# KiCad board tinytapeout-demo.kicad_pcb (continued)
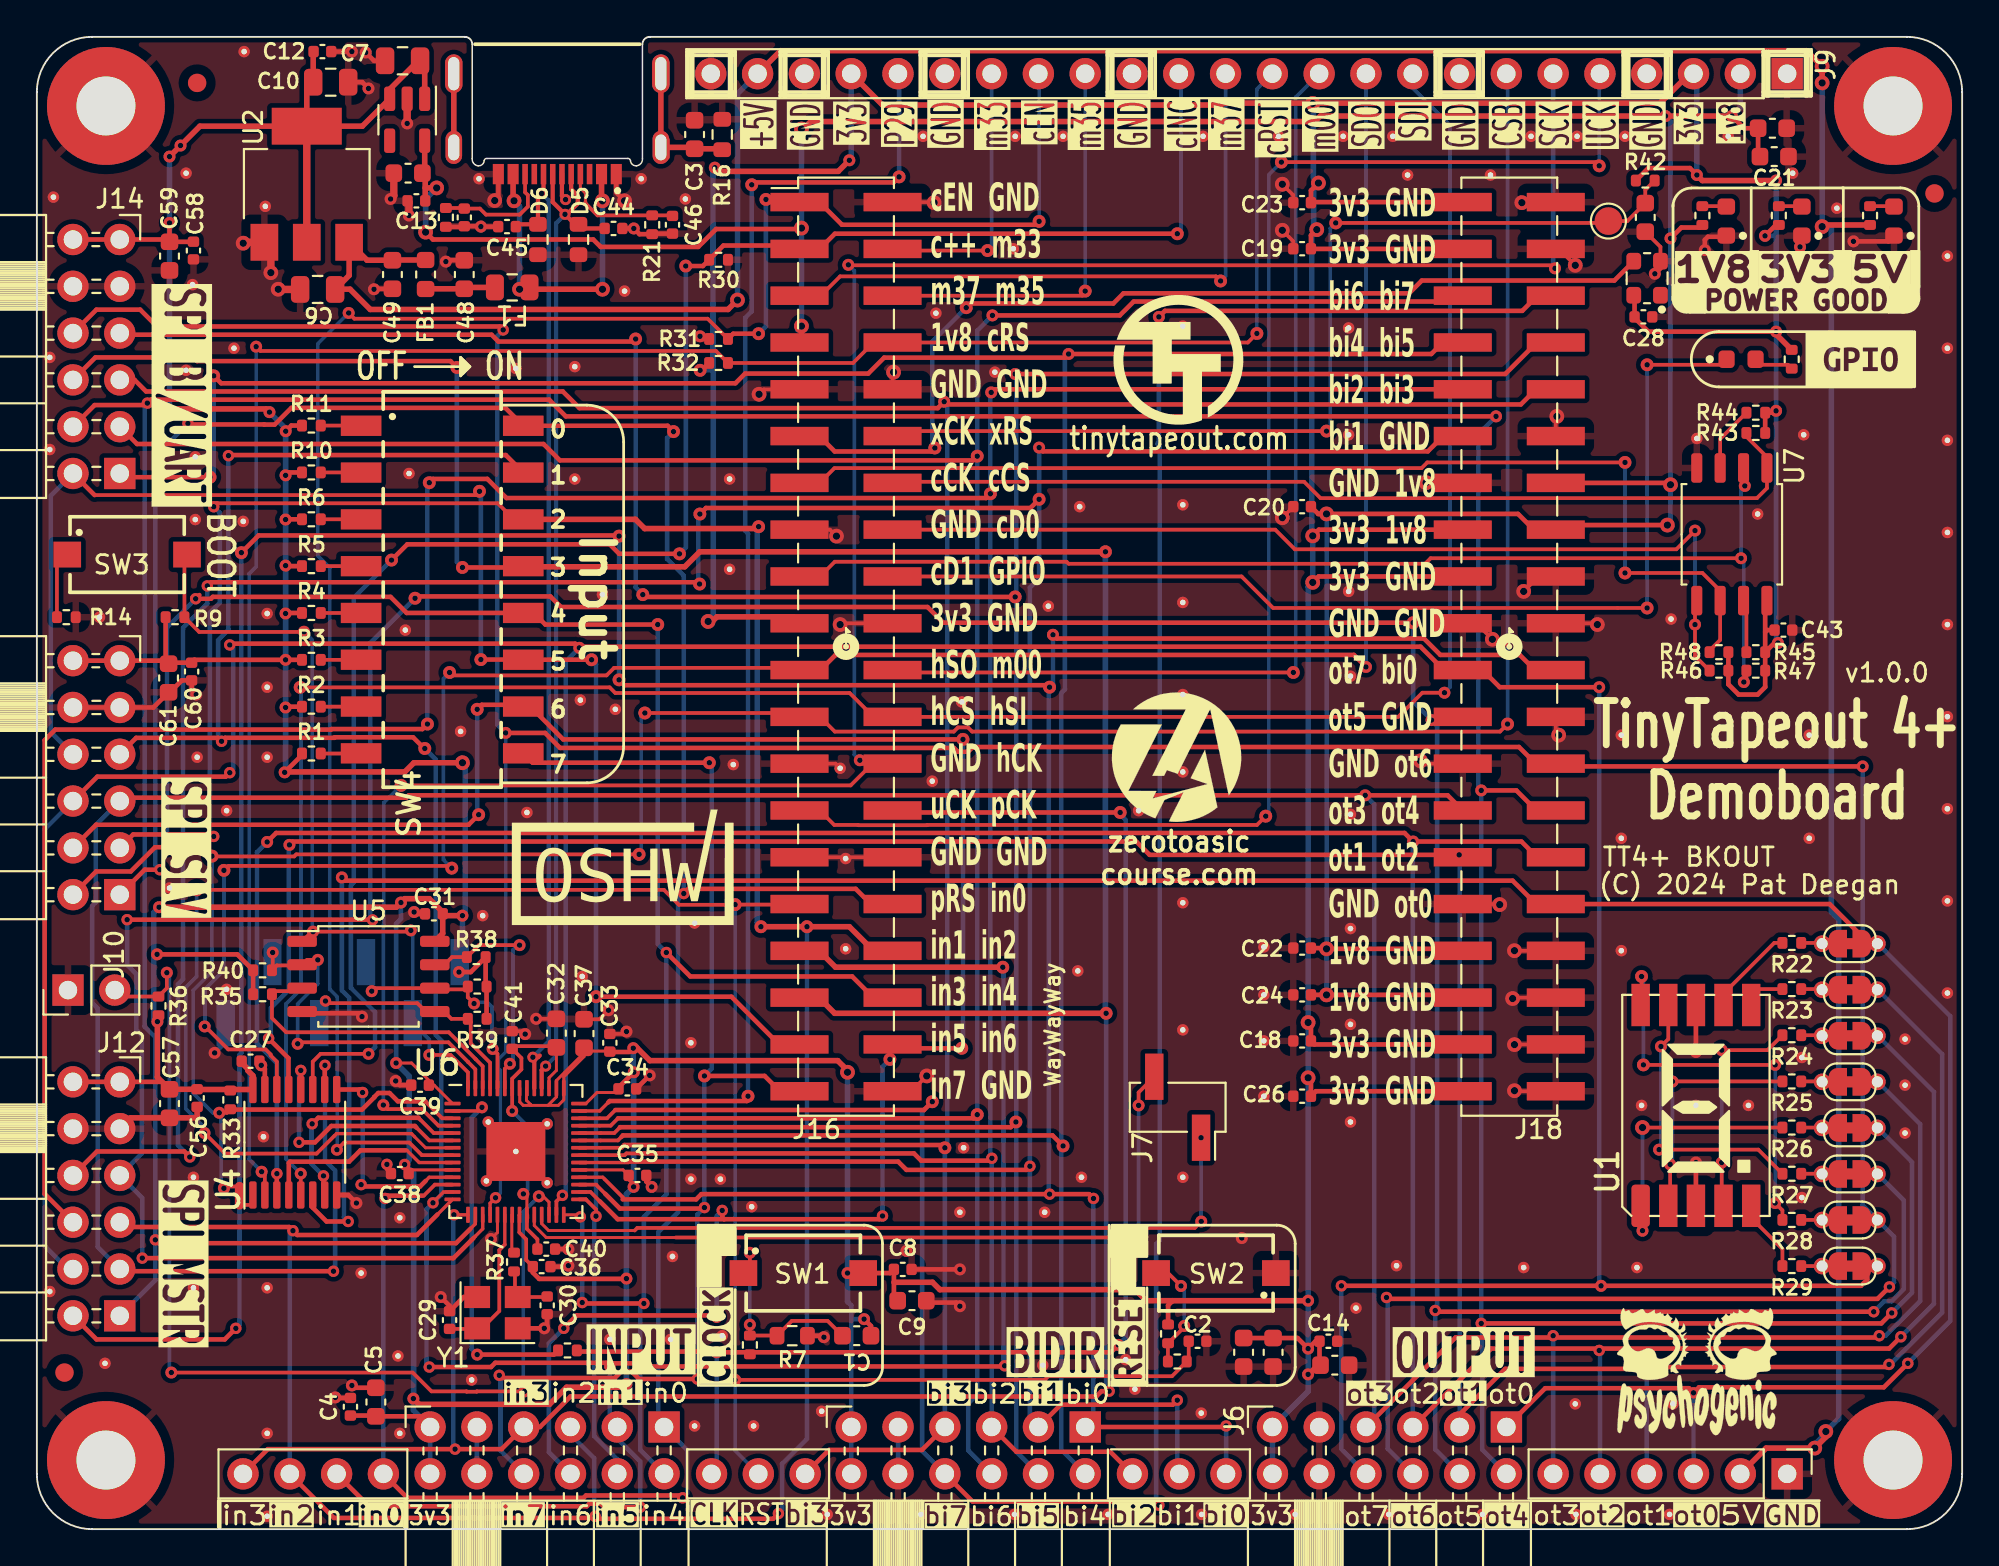
[diagram p0: board, top side]
## Routing (per net, layer and track width the routed paths; a pad name or vN(x,y) marks a point on that pad's centre or on a via; arc(x,y) is an arc through that point) (continued)
/RP2040/QSPI_SD3: length 13.2
  Top w0.2: U5.7 22.12,30.64 22.53,31.05 R38.2 23.99,31.7 v1(26.2,31.7) ; U6.51 25.4,24.99 v1(25.67,25.26)
  Bottom w0.2: v1(26.2,31.7) 26.1,31.7 25.84,31.44 25.84,25.43 v1(25.67,25.26)
/RP2040/RUN: length 57.8
  Top w0.16: v1(27.25,18.06) 27.49,18.06 27.8,17.75 U6.26
  Top w0.2: v1(26.47,7.48) 23.89,7.48 23.87,7.46 23.33,7.46 23.31,7.48 21.42,7.48 20.4,8.5 v1(7.3,8.5) ; J10.2 4.58,28.91 R36.2 7.05,29.36 v1(7.05,30.2)
  Bottom w0.2: v1(7.05,30.2) 7.2,30.06 7.2,8.6 v1(7.3,8.5) ; v1(27.25,18.06) 26.4,17.22 26.4,7.55 v1(26.47,7.48)
/RP2040/SWCLK: length 42.9
  Top w0.16: U6.24 27,16.48 27.65,15.83 34.68,15.83
  Top w0.2: J7.2 59.8,23.7 v1(59.8,23) ; v1(59.75,15.7) 59.62,15.83 34.68,15.83
  Bottom w0.2: v1(59.8,23) 59.8,15.75 v1(59.75,15.7)
/RP2040/SWDIO: length 41.4
  Top w0.16: U6.25 27.4,16.59 27.78,16.21 32.45,16.21
  Top w0.2: v1(63.2,16.7) 62.85,16.35 32.59,16.35 32.45,16.21
  Bottom w0.2: v1(63.19,21.25) 63.19,16.71 v1(63.2,16.7) 63.3,16.6 63.4,16.6
/vfused: length 3.8
  Top w0.3: F1.2 23.28,67.4 C48.1 21.11,67.33 FB1.1
/~{CRVRST}: length 53.9
  Top w0.2: v4(70.5,70.9) 85.2,70.9 TP1.1 86.32,71 C42.2 87.3,72.69 R42.2 ; v4(70,59.6) 46.72,59.6 46.44,59.33
  Bottom w0.2: v4(70.5,70.9) 70.2,70.6 70.2,59.8 v4(70,59.6)
boot_mode: length 43.4
  Top w0.2: SW3.2 8.01,52.76 R9.2 8.81,48.7 14.49,48.7 v1(14.5,48.71) ; U5.1 14.93,32.43 v1(14.99,32.43) 20.23,32.43 v1(20.3,32.5) ; U6.56 23.4,24.79 22.46,25.74 v1(21.3,25.74)
  Bottom w0.2: v1(21.3,25.74) 21.3,26.58 J11.2 20.41,32.39 v1(20.3,32.5) ; v1(14.99,32.43) 14.94,32.48 14.94,48.27 v1(14.5,48.71)
Caravel_CSB: length 51.5
  Top w0.2: 46.44,56.79 46.5,56.85 68.78,56.85 69.67,55.96 93.36,55.96 93.91,56.5 U7.1 93.91,58.19 92.79,59.31 R43.2
Caravel_D0: length 53.9
  Top w0.2: U7.5 90,50.31 v1(90,49.1) 90,47.39 R46.2 ; 46.44,54.25 67.22,54.25 68.28,53.19 88.99,53.19 v1(90,54.2) 89.85,54.35
  Bottom w0.2: v1(90,54.2) v1(90,49.1)
Caravel_D1: length 64.2
  Top w0.2: U7.2 92.7,57.53 v1(92.7,56.62) ; J4.A17 42.51,51.71 43.31,52.51 55.89,52.51 56,52.4 75.35,52.4 75.65,52.7 v1(92.5,52.7) 92.41,52.61 ; R47.2 92.79,46.12 v1(92.65,45.98)
  Bottom w0.2: v1(92.65,45.98) 92.65,52.55 v1(92.5,52.7) 92.5,56.42 v1(92.7,56.62)
Caravel_SCK: length 60.4
  Top w0.2: v4(86.2,51.9) 90.4,51.9 91.37,50.94 U7.6 91.37,48.27 90.79,47.69 R48.2 ; v4(86.2,57.9) 75.47,57.9 75.16,57.59 43.29,57.59 42.49,56.79 J4.A13
  Bottom w0.2: v4(86.2,57.9) v4(86.2,51.9)
cinc/out3: length 11.7
  Top w0.18: 21.1,18.9 21.3,19.1 U6.11
  Top w0.245: v3(17.68,23.7) 17.52,23.86 U4.9 ; v3(17.6,18.7) 17.7,18.6 20.8,18.6 21.1,18.9
  Bottom w0.245: v3(17.68,23.7) 17.68,18.78 v3(17.6,18.7)
ctrl_ena: length 107.2
  Top w0.2: R31.1 36.41,65.7 17.23,65.7 v1(16.92,66.01) ; v1(16.29,20.59) 16.68,20.98 20.22,20.98 20.9,20.3 U6.8
  Top w0.245: v4(39.17,64.89) 37.8,64.89 R31.1 ; v4(54.4,70.98) 54.22,70.8 43.7,70.8 42.47,72.03 J4.A1 39.72,72.03 v4(39.57,72.17)
  Bottom w0.2: v1(16.92,66.01) 15.25,64.34 15.25,52.83 15.9,52.18 15.9,29.3 16.3,28.9 16.3,20.61 v1(16.29,20.59) ; J9.17 54.4,78.96 v4(54.4,70.98)
  Bottom w0.245: v4(39.17,64.89) 39.57,65.29 v4(39.57,72.17)
ctrl_sel_inc: length 101.5
  Top w0.2: U4.11 14.97,25.38 15.4,25.8 v1(18,25.8)
  Top w0.245: v4(61.9,70.31) 43.31,70.31 42.49,69.49 J4.A3 41.21,69.67 37.26,69.67 R30.1 36.15,68.56 v4(35.22,68.56) ; v4(34.88,52.94) 31.61,52.94 31.09,53.45 20.1,53.45 v4(19.25,52.6)
  Bottom w0.2: v4(61.9,70.31) 62.1,70.51 62.1,78.88 J9.14
  Bottom w0.245: v1(18,25.8) 18.36,26.16 18.36,28.07 17.05,29.38 17.05,34.95 17.2,35.11 17.2,50.55 v4(19.25,52.6) ; v4(34.88,52.94) 35.23,53.29 35.23,68.55 v4(35.22,68.56)
gpio: length 59.3
  Top w0.2: 46.44,51.71 65.39,51.71 67.1,50 v4(87.4,50) ; v4(87.4,63.2) 91.41,63.2 D4.1
  Bottom w0.2: v4(87.4,50) v4(87.4,63.2)
HK_CSB: length 147.9
  Top w0.2: v1(10.15,18.5) 10.25,18.6 NT1.1 ; v4(32.69,36.63) 14.08,36.63 13.97,36.52 9.52,36.52 v4(9.51,36.53) ; 21.1,23.2 22,22.3 U6.3 ; v4(33,44.3) 41.19,44.3 J4.A23 42.51,44.09 43.31,43.29 49.77,43.29 50,43.52 50.54,43.52 50.76,43.29 79.41,43.29 v4(79.82,43.7) ; R33.2 10.31,22.6 v1(9.9,22.6)
  Top w0.245: 21.1,23.2 21.08,23.22 19.59,23.22 19.14,23.67 18.53,23.67 18.31,23.45 18.31,23.44 17.65,22.77 10.52,22.77 R33.2
  Bottom w0.2: J9.7 79.82,78.94 v4(79.82,43.7) ; v4(9.51,36.53) 9.5,36.53 9.5,30.26 8.48,29.24 8.48,23.67 9.55,22.6 v1(9.9,22.6) 10,22.5 10,18.65 v1(10.15,18.5) ; v4(33,44.3) 32.8,44.1 32.8,36.74 v4(32.69,36.63)
HK_SCK: length 127.2
  Top w0.2: v4(19.77,40.37) 19.77,40.37 44.17,40.37 45.35,41.55 46.44,41.55 44.85,41.55 v1(44.67,41.73) ; U6.4 21.8,21.9 20.9,22.8 19.03,22.8 v1(18.81,23.02) ; v1(44.05,68.62) 44.07,68.6 82.24,68.6 v1(82.4,68.44)
  Bottom w0.2: v1(44.67,41.73) 44.37,42.03 44.37,68.3 v1(44.05,68.62) ; v1(18.81,23.02) 18.81,32.79 18.83,32.82 18.83,39.43 v4(19.77,40.37) ; 82.3,68.54 v1(82.4,68.44)
  Bottom w0.245: J9.6 82.3,68.54
HK_SDI: length 126.1
  Top w0.2: v4(14.29,45.69) 31.09,45.69 31.4,45.39 44.11,45.39 45.41,44.09 73.89,44.09 75.2,45.4 v1(76.4,45.4) ; U4.5 14.33,19.3 v1(14.32,19.3)
  Bottom w0.2: v1(76.4,45.4) 76.7,45.7 76.7,76.2 74.68,78.22 J9.9 ; v1(14.32,19.3) 13.53,20.1 13.53,28.51 14.33,29.32 14.33,45.65 v4(14.29,45.69) 14.3,45.7
HK_SDO: length 121.5
  Top w0.2: v4(22.52,35.88) 22.4,36 10.4,36 v4(10.15,35.76) ; v1(9.11,27.29) 9.14,27.29 10.39,26.04 12.42,26.04 12.69,25.77 12.69,25.71 13.03,25.38 U4.14 ; v4(22.4,46.5) 22.56,46.34 30.92,46.34 31.33,46.75 41.28,46.75 J4.A21
  Top w0.245: v1(72.14,46.8) 71.49,47.45 43.35,47.45 42.53,46.63 J4.A21
  Bottom w0.2: v4(22.52,35.88) 22.07,36.33 22.07,46.17 v4(22.4,46.5) ; v4(10.15,35.76) 10.15,30.34 9.12,29.31 9.12,27.3 v1(9.11,27.29) ; J9.10 v1(72.14,46.8)
in0: length 162.4
  Top w0.2: U6.12 21.6,18.7 21,18.1 20.9,18.1
  Top w0.245: J13.1 5.85,35.79 v3(6.68,35.79) ; v3(18.9,17.95) 19.05,18.1 20.9,18.1 ; 46.44,33.93 46.08,34.3 44.9,34.3 44.45,34.75 35.37,34.75 v3(35.11,34.5) ; J2.1 20.11,1.7 29.68,1.7 29.8,1.83 34.92,1.83 v3(35.05,1.7) ; v3(8.2,60.02) 8.25,59.96 12.34,59.96 12.35,59.95 12.91,59.95 13.82,60.86 25.43,60.86 SW4.16 34.24,59.89 v4(34.56,59.57)
  Bottom w0.245: J2.1 18.81,17.86 v3(18.9,17.95) ; v3(35.05,1.7) 35.3,1.95 35.3,4.29 J3.1 33.74,5.85 33.74,16.14 34.8,17.2 34.8,34.19 v3(35.11,34.5) 35.11,51.75 34.21,52.66 34.21,59.22 v4(34.56,59.57) ; v3(6.68,35.79) 6.43,36.03 6.43,58.25 v3(8.2,60.02)
in1: length 175.6
  Top w0.18: U6.13 22.07,18.3 21.5,17.73 v3(21.5,17.71)
  Top w0.245: v4(21.06,42.37) 21.03,42.37 20.42,42.98 16.18,42.98 16.15,42.95 10.21,42.95 v3(10.03,42.77) 9.84,42.95 5.39,42.95 J13.4 ; 21.2,8.8 v3(21.3,8.8) 24.65,8.8 24.88,9.03 30.91,9.03 v3(31.1,8.84) 31.26,9 32.46,9 32.63,8.83 52.49,8.83 v3(52.53,8.87) ; J2.2 18.03,1.24 29.85,1.24 29.99,1.38 30.61,1.38 30.8,1.19 v3(32.75,1.19) ; v3(10.4,58.27) 10.43,58.3 25.45,58.3 SW4.15
  Top w0.3: v4(52.43,30.5) 43.35,30.5 42.46,31.39 J4.A33
  Bottom w0.18: v3(21.5,17.71) 21.51,17.71 21.6,17.8
  Bottom w0.245: v3(21.3,8.8) 21.15,8.95 21.15,17.36 v3(21.5,17.71) ; v3(31.1,8.84) 31.1,5.95 J3.2 31.5,4.92 32.75,3.67 v3(32.75,1.19) ; v4(21.06,42.37) 21.65,41.78 21.65,26.83 21.95,26.53 21.95,18.15 21.6,17.8 ; v3(10.03,42.77) 9.84,42.95 9.84,48.26 10.4,48.82 v3(10.4,58.27) ; v3(52.53,8.87) 52.47,8.93 52.47,30.46 v4(52.43,30.5)
in2: length 181.8
  Top w0.18: U6.14 21.74,17.08
  Top w0.2: SW4.14 25.89,54.81 25.02,55.68 9.79,55.68
  Top w0.245: 9.5,55.4 9.6,55.5 v3(9.6,55.5) 9.79,55.68 ; J13.2 5.23,37.71 9.49,37.71 v3(9.6,37.6) ; v3(40.25,0.85) 39.96,0.56 30.44,0.56 v3(30.3,0.7) 30.21,0.61 16.12,0.61 J2.3 ; J12.3 4.76,16.4 13.7,16.4 v3(13.9,16.2) 14.13,15.97 20.63,15.97 21.74,17.08
  Top w0.3: v4(39.3,32.7) v4(41.8,32.7) 44.1,32.7 45.41,31.39 46.44,31.39 ; SW4.14 32.49,54.81 32.99,54.31 39.07,54.31 v4(39.18,54.41)
  Bottom w0.245: v3(9.6,55.5) 9.93,55.16 9.93,50.29 9.39,49.75 9.39,37.76 9.63,37.52 ; v3(13.9,16.2) 13.73,16.03 J2.3 ; v3(40.25,0.85) 40.45,1.05 40.45,3.55 41.8,4.9 v4(41.8,32.7) ; J3.3 28.97,5.13 30.25,3.85 30.25,0.75 v3(30.3,0.7)
  Bottom w0.3: v4(39.18,54.41) 39.1,54.34 39.1,32.9 v4(39.3,32.7)
in3: length 192.9
  Top w0.18: U6.15 v3(22.64,17.06)
  Top w0.245: J14.9 3.18,63.6 8.5,63.6 8.7,63.4 22.45,63.4 v4(22.8,63.05) ; v4(23.1,52.2) 26.33,52.2 SW4.13 ; v3(58.2,7.49) 57.79,7.49 57.5,7.2 28.96,7.2 27.31,5.54 J3.4 25.22,4.34 v3(22.7,4.34) 12.53,4.34 J2.4
  Top w0.3: J4.A35 42.45,28.85 43.3,28 v4(58.04,28) ; SW4.13 26.43,52.24 35.17,52.24 35.98,53.05 v4(58,53.05)
  Bottom w0.18: v3(22.64,17.06) 22.6,17.03
  Bottom w0.245: v3(22.7,4.34) 22.6,4.44 22.6,17.03 ; v3(58.2,7.49) 58.04,7.65 v4(58.04,28) ; v4(22.8,63.05) 22.8,52.5 v4(23.1,52.2)
  Bottom w0.3: v4(58.04,28) 58,28.04 v4(58,53.05)
in4: length 116.2
  Top w0.16: U6.28 29.39,17.06 v3(29.5,16.95)
  Top w0.245: J13.7 3.22,35.7 5.1,35.7 6.41,37.01 v3(7.07,37.01) ; v3(32.95,12.25) 29.65,12.25 v3(29.6,12.3) ; 8.82,50.7 v3(8.62,50.5) 9.45,50.5 9.55,50.6 19.2,50.6 20.07,49.73 SW4.12 26.97,49.73 27.6,49.1 v4(33.7,49.1) ; 34.3,31.3 v3(34.17,31.3) 35.47,30 44.25,30 45.4,28.85 46.44,28.85
  Bottom w0.245: v3(29.6,12.3) 29.6,16.85 v3(29.5,16.95) ; v3(7.07,37.01) 7.07,48.95 v3(8.62,50.5) ; v4(33.7,49.1) 33.7,31.77 v3(34.17,31.3) 34.17,18.17 32.95,16.95 v3(32.95,12.25) 32.75,12.05 32.75,4.3 J3.7
in5: length 112.7
  Top w0.2: U6.29 29.8,17.9 30.35,17.35 v3(30.35,16.99) 30.35,16.8 ; 3.13,56.13 23.82,56.13 v4(24.03,56.33)
  Top w0.245: J14.7 3.13,56.13 ; J4.A37 40.29,26.31 37.7,28.9 v4(30.35,28.9) ; v4(30.11,47.19) SW4.11 26.39,47.2 v4(24.1,47.2)
  Bottom w0.245: J13.10 0.76,43.26 0.76,56.1 J14.7 ; v4(24.1,47.2) 24.1,56.26 v4(24.03,56.33) ; v4(30.11,47.19) 30.35,46.95 v4(30.35,28.9) v3(30.35,16.99) 30.25,16.89 30.25,5.05 31.5,3.79 J3.8
in6: length 126.9
  Top w0.2: 30.55,17.8 30.05,18.3 U6.30
  Top w0.245: v3(28.6,10.9) 29.3,11.6 36.8,11.6 v3(36.9,11.5) ; v4(50.27,42.87) 28.57,42.87 26.78,44.65 SW4.10 26.31,44.75 24.14,44.75 v4(23.9,44.5) ; v4(46.3,25.5) 46.3,26.16 46.44,26.31 46.66,26.1 v4(50.2,26.1) ; v3(37.2,17.3) 37.2,16.92 37.3,16.82 ; 30.55,17.8 31.53,16.82 37.3,16.82 ; v4(23.98,38.78) 23.43,38.23 3.21,38.23 J13.8 ; 37.3,16.82 45.72,16.82 v3(45.9,17)
  Bottom w0.245: v3(28.6,10.9) 27.79,10.09 27.79,4.18 J3.9 ; v3(37.2,17.3) 36.9,17 v3(36.9,11.5) ; v4(50.2,26.1) 50.27,26.17 v4(50.27,42.87) ; v4(23.9,44.5) 23.9,38.86 v4(23.98,38.78) ; v4(46.3,25.5) 45.9,25.1 v3(45.9,17)
in7: length 74
  Top w0.2: 30.83,18.22 30.35,18.7 U6.31
  Top w0.245: v3(36.23,17.46) 36.18,17.4 31.65,17.4 30.85,18.2 ; J4.A39 40.33,23.77 39.5,24.6 v4(36.23,24.6) ; v4(36.5,41.6) 26.91,41.6 SW4.9 ; v3(25.1,8.35) 25.24,8.2 31.37,8.2 31.72,8.56 32.28,8.56 32.69,8.15 v3(35.85,8.15)
  Bottom w0.245: v4(36.5,41.6) 36.63,41.47 36.63,25 v4(36.23,24.6) v3(36.23,17.46) 35.85,17.07 v3(35.85,8.15) ; v3(25.1,8.35) 25.17,8.28 25.17,4.26 J3.10
mio33: length 15
  Top w0.2: 46.44,69.49 46.53,69.4 v4(51.6,69.4)
  Bottom w0.2: v4(51.6,69.4) 51.82,69.62 J9.18 51.9,78.92
mio35: length 22.4
  Top w0.2: v4(56.9,67.2) 56.75,67.05 56.75,66.95 46.44,66.95
  Bottom w0.2: v4(56.9,67.2) J9.16
mio37: length 34.8
  Top w0.2: v4(64.25,67.75) 64,68 43.6,68 42.55,66.95 J4.A5
  Bottom w0.2: v4(64.25,67.75) 64.52,68.02 J9.13
mprj_io0: length 54.9
  Top w0.2: 46.44,46.63 46.58,46.5 v4(68.2,46.5)
  Bottom w0.2: v4(68.2,46.5) 68.33,46.63 68.33,77.73 J9.11
MUX_SEL: length 1.2
  Top w0.2: NT1.2 11.67,17.6 11.72,17.65 U4.1
out0: length 159.9
  Top w0.245: v3(16.9,16.7) 15.72,16.7 14.97,17.45 U4.6 ; J6.1 81.87,7.65 89.67,7.65 v3(89.92,7.4) 90.22,7.7 100.25,7.7 v3(101.55,9) ; JP1.1 99.05,32.19 97.31,33.93 J4.B32 81.37,33.93 80.1,35.2 16.73,35.2 v1(16.56,35.38)
  Bottom w0.245: J6.1 79.4,5.91 ; v3(101.55,9) 103.86,11.31 103.86,27.84 99.92,31.78 JP1.1 ; J1.3 v3(89.92,7.4) ; v3(16.9,16.7) 16.67,16.93 16.67,19.95 16.95,20.24 16.95,28.84 16.56,29.24 v1(16.56,35.38)
out1: length 163.5
  Top w0.245: v1(13.71,37.14) 13.89,37.32 59.68,37.32 60.4,36.6 v1(77.2,36.6) ; U4.13 13.66,23.88 13.66,25.56 v3(12.58,26.64) ; J6.2 77.22,6.22 79.7,8.7 87.2,8.7 v3(87.45,8.95) 87.6,8.8 100.39,8.8 v3(100.53,8.94)
  Bottom w0.245: J6.2 77.22,36.58 v1(77.2,36.6) ; J1.4 87.38,8.88 v3(87.45,8.95) ; JP2.1 99.92,29.28 103.41,25.79 103.41,11.76 100.6,8.94 v3(100.53,8.94) ; 13.61,37.1 13.65,37.14 v1(13.71,37.14) 13.67,37.11 13.67,29.26 12.7,28.28 12.7,26.76 v3(12.58,26.64)
out2: length 175.9
  Top w0.245: J6.3 78.94,9.8 100.53,9.8 v3(101.17,10.44) ; v1(12.5,37.3) 12.99,37.79 74.24,37.79 v1(74.7,37.32) 80.58,37.32 81.43,36.47 J4.B30 ; v3(13.03,19.3) 13.03,19.29 U4.3
  Bottom w0.245: v3(84.8,9.7) 84.84,9.66 J1.5 ; v1(74.7,37.32) 74.69,37.31 J6.3 ; JP3.1 99.92,26.78 102.97,23.73 102.97,12.23 v3(101.17,10.44) ; v1(12.5,37.3) 11.95,36.75 11.95,26.37 13.03,25.29 v3(13.03,19.3)
out3: length 212.4
  Top w0.245: J13.3 4.68,39.7 20.05,39.7 20.18,39.83 v1(72.1,39.83) 76.57,39.83 J4.B27 ; U4.10 15.62,25.16 v3(15.64,25.18) ; v3(100,10.5) 99.9,10.4 77,10.4 J6.4 ; J12.2 4.62,14 v3(16.1,14)
  Bottom w0.245: J13.3 3.2,38.22 3.2,34.02 3,33.82 3,28.57 3.3,28.27 3.3,15.32 J12.2 ; JP4.1 99.92,24.28 102.22,21.98 102.22,12.38 100.34,10.5 v3(100,10.5) ; v1(72.1,39.83) 72.59,39.34 72.59,5.99 J6.4 ; J1.6 v3(82.3,10.5) ; v3(15.64,25.18) 15.64,20.02 16.19,19.46 16.19,14.09 v3(16.1,14)
out4: length 244
  Top w0.18: 23.53,16.3 23.8,16.57 U6.16
  Top w0.245: J4.B28 81.39,39.01 80.3,40.1 v1(78.4,40.1) ; v1(79.2,60.4) 28.71,60.4 27.8,61.31 6.19,61.31 v3(6,61.12) 5.89,61.01 3.13,61.01 J14.8 ; 23.53,16.3 22.75,15.52 6.61,15.52 v3(6.43,15.7) ; v3(100.68,11.74) 100.11,11.17 v3(78.4,11.17)
  Bottom w0.245: v3(6,61.12) 5.85,60.97 5.85,27.28 6.43,26.7 v3(6.43,15.7) 6.43,13.51 J12.1 ; J6.7 78.45,4.32 78.45,11.11 v3(78.4,11.17) v1(78.4,40.1) 78.25,40.25 78.25,59.45 v1(79.2,60.4) ; v3(100.68,11.74) 101.78,12.83 101.78,19.92 99.92,21.78 JP5.1
out5: length 208.2
  Top w0.18: 23.7,15.8 24.2,16.3 U6.17
  Top w0.245: v4(20.53,50.53) 20.63,50.63 27.87,50.63 28.45,50.05 48.34,50.05 49.19,49.2 v4(74.7,49.2) ; v3(18.22,33.07) 18.21,33.08 v3(4.9,33.08) ; v1(75.7,43.92) 75.88,44.09 J4.B23 ; v3(5.72,14.71) 22.61,14.71 23.7,15.8 ; v3(99.7,11.8) 75.97,11.8 v3(75.9,11.87)
  Bottom w0.245: v3(5.72,14.71) 5.72,17.98 J12.4 5.7,20.4 5.7,26.8 5.4,27.1 5.4,30.12 4.9,30.62 v3(4.9,33.08) ; JP6.1 101.33,17.85 101.33,13.03 100.67,12.37 100.27,12.37 v3(99.7,11.8) ; v4(20.53,50.53) 18.1,48.1 18.1,33.19 v3(18.22,33.07) ; v4(74.7,49.2) 74.7,44.92 v1(75.7,43.92) 76,43.61 76,11.97 v3(75.9,11.87) 75.9,4.33 J6.8
out6: length 214.6
  Top w0.18: v3(24.9,17.99) 24.6,17.69 U6.18
  Top w0.245: v1(25.44,43.22) 27.59,43.22 28.4,42.4 49.78,42.4 49.99,42.19 50.55,42.19 50.81,42.45 80.44,42.45 81.35,41.55 J4.B26 82.59,41.4 v1(99.1,41.4) ; v3(100.55,13.15) 99.91,12.5 73.33,12.5 v3(73.26,12.58) ; v3(25.31,65.09) 25.12,65.28 6.52,65.28 5.61,66.19 3.23,66.19 J14.10
  Bottom w0.18: v3(24.9,17.99) 25.16,18.25 25.16,24.91 25.06,25.01 25.06,25.52 25.45,25.91 25.45,43.21 v1(25.44,43.22)
  Bottom w0.245: J6.9 73.32,4.37 73.32,12.51 v3(73.26,12.58) ; v3(25.31,65.09) 25,64.78 25,43.66 v1(25.44,43.22) ; v3(100.55,13.15) 100.8,13.39 100.8,15.88 JP7.1 99.1,17.58 v1(99.1,41.4)
out7: length 222.3
  Top w0.2: 44.42,47.9 44.42,47.9 ; v3(28.53,18.12) 28.2,17.79 U6.27 ; 43.58,47.9 43.57,47.9
  Top w0.245: v1(84.8,45.7) 79.4,45.7 78.47,46.63 J4.B21 76.37,46.63 75.1,47.9 44.42,47.9 ; 43.57,47.9 29.5,47.9 v1(29.44,47.84) 29.22,48.06 10.54,48.06 v3(10.47,47.99) ; v3(70.81,13.21) v1(84.9,13.21) 99.01,13.21 99.35,13.55 99.35,14.28 ; v3(10.47,41.06) 10.25,40.84 3.28,40.84 J13.9 ; 44.42,47.9 J16.1 43.58,47.9
  Bottom w0.245: J13.9 0.42,37.98 0.42,15.38 1.68,14.12 J12.8 ; v3(10.47,41.06) 10.66,41.25 10.66,47.81 v3(10.47,47.99) ; v1(84.9,13.21) 84.8,13.31 v1(84.8,45.7) ; J6.10 70.9,4.25 ; v3(28.53,18.12) 28.7,18.29 28.7,47.09 v1(29.44,47.84) ; v3(70.81,13.21) 70.81,4.34
project_clk: length 78.4
  Top w0.2: 46.56,38.9 46.44,39.01
  Top w0.245: v4(58.8,38.9) 46.56,38.9 ; R41.2 29.37,9.64 36.86,9.64 v1(36.9,9.6) 38.59,9.6 R12.1 38.81,9.6 58.3,9.6 v1(58.7,10)
  Bottom w0.2: 58.7,38.8 v4(58.8,38.9)
  Bottom w0.245: 36.8,9.8 36.9,9.7 v1(36.9,9.6) 36.9,3.28 J17.3 ; v1(58.7,10) 59.1,10.4 59.1,38.5 58.8,38.8 58.7,38.8
RP_proj_clk: length 19.9
  Top w0.18: v1(24.16,22.89) 23.96,22.7 U6.2
  Top w0.245: R41.1 28.06,9.47 v1(23.9,9.47)
  Bottom w0.245: v1(23.9,9.47) 23.6,9.77 23.6,22.34 v1(24.16,22.89)
RPIO29: length 73.1
  Top w0.18: 31.01,23.16 30.55,22.7 U6.41
  Top w0.245: v4(38.6,23.5) 38.6,23.3 38.54,23.24 31.09,23.24 31.01,23.16 ; v4(38.8,72.97) 38.93,73.1 46.5,73.1 v4(46.8,73.4)
  Bottom w0.245: v4(38.6,23.5) 38.6,54.04 38.45,54.19 38.45,65.75 38.8,66.1 v4(38.8,72.97) ; J9.20 46.8,78.94 v4(46.8,73.4)
SDI/out0: length 12.2
  Top w0.2: 20.82,22.22 20.82,22.22 21.54,21.5 U6.5
  Top w0.245: v3(14.94,22) 15.27,22.33 20.71,22.33 20.73,22.3 ; v3(15.56,19.17) 15.56,18.2 U4.7
  Bottom w0.245: v3(15.56,19.17) 14.91,19.82 14.91,21.97 v3(14.94,22)
SDO/out1: length 14
  Top w0.2: 20.6,21.8 21.3,21.1 U6.6
  Top w0.245: U4.12 v3(14.33,24.9) ; 20.6,21.8 20.52,21.88 15.98,21.88 15.09,20.99 v3(14.23,20.99)
  Bottom w0.245: v3(14.23,20.99) 14.23,24.81 v3(14.33,24.9)
uio0: length 214.3
  Top w0.18: U6.32 30.72,19.1 30.82,19
  Top w0.2: 31.8,17.9 31.8,18.02 30.82,19
  Top w0.245: v3(57.35,17.95) 57.12,18.18 v3(54.97,18.18) 36.07,18.18 35.78,17.9 31.8,17.9 ; v1(55.15,48.55) 55.35,48.34 75.29,48.34 76.18,47.45 79.7,47.45 79.7,47.45 80.49,47.45 81.31,46.63 J4.B22 ; v4(31.6,53.9) 31.56,53.94 12.04,53.94 v4(11.1,53) ; J12.7 3.24,10.3 10.2,10.3 v3(10.8,10.9) ; v4(31.6,46.1) 31.89,45.81 54.89,45.81 54.89,45.78 v4(54.97,45.7) ; v3(64.55,5.6) 64.5,5.54 J5.1
  Bottom w0.245: J8.1 64.55,3 v3(64.55,5.6) ; 11.2,53.1 v4(11.1,53) 11.1,25.86 11,25.75 11,11.1 v3(10.8,10.9) ; v4(31.6,53.9) v4(31.6,46.1) ; J5.1 57.35,5.99 v3(57.35,17.95) ; v3(54.97,18.18) 54.93,18.22 54.93,45.66 v4(54.97,45.7) 55.15,45.88 v1(55.15,48.55)
uio1: length 202.3
  Top w0.18: U6.34 32.1,19.9 32.15,19.95
  Top w0.245: v4(54.4,55.9) 53.93,55.43 36.32,55.43 v4(35.99,55.1) ; v3(61.9,7) 61.66,6.75 55.58,6.75 J5.2 ; v1(54.4,58.7) 54.61,58.5 75.5,58.5 76.33,59.33 J4.B11 ; 32.15,19.95 46.75,19.95 47.2,19.5 53.7,19.5 v3(53.9,19.7) ; v4(35.97,51.3) 35.87,51.4 9.45,51.4 v3(9.25,51.2) ; v3(8.3,20.2) 8,20.5 3.26,20.5 J12.10
  Bottom w0.245: v4(35.97,51.3) 35.9,51.37 35.9,55.01 v4(35.99,55.1) ; J5.2 53.9,6.01 v3(53.9,19.7) 53.9,51.11 54.4,51.61 v1(54.4,58.7) ; J8.2 61.9,3.1 v3(61.9,7) ; v3(9.25,51.2) 9.25,50.24 7.94,48.92 7.94,29.85 7.66,29.58 7.66,20.84 v3(8.3,20.2)
uio2: length 205.4
  Top w0.2: 32.75,20.39 32,20.39 31.9,20.3 U6.35
  Top w0.245: v4(21.2,43.7) 20.93,43.43 15.99,43.43 15.96,43.4 1,43.4 0.42,42.82 0.42,18.2 J12.9 ; J4.B9 51.97,61.87 v1(51.8,61.7) ; v4(21.3,56.8) 21.5,57 24.45,57 25.49,55.97 51.52,55.97 v4(51.75,56.2) ; J5.3 53.17,4.2 58.27,4.2 J8.3 ; 32.75,20.39 47.61,20.39 48,20 51.7,20 v3(51.84,20.13)
  Bottom w0.245: J5.3 51.83,20.12 v3(51.84,20.13) 51.75,20.21 v4(51.75,56.2) 51.75,61.66 v1(51.8,61.7) ; v4(21.2,43.7) 21.2,56.7 v4(21.3,56.8)
uio3: length 163.7
  Top w0.2: 31.84,20.8 31.74,20.7 U6.36
  Top w0.245: J5.4 48.04,4.3 43,4.3 J17.1 ; J4.B10 81.37,61.87 80.55,61.05 49.4,61.05 v1(49.25,61.2) 48.9,60.85 29.45,60.85 28.55,61.75 5.93,61.75 5.3,62.38 J14.3 4.67,62.21 ; v4(49.28,20.7) 49.13,20.85 31.89,20.85 31.84,20.8
  Bottom w0.245: J5.4 v4(49.28,20.7) 49.41,20.83 49.41,61.03 v1(49.25,61.2)
uio4: length 167.5
  Top w0.2: U6.37 31.54,21.1 31.74,21.3
  Top w0.245: J4.B7 76.31,64.41 75.69,63.78 v1(56,63.78) 55.8,63.59 45.99,63.59 45.12,62.72 38.44,62.72 37.92,62.2 10,62.2 v4(9.6,62.6) ; 31.74,21.3 31.81,21.37 55.13,21.37 v4(55.7,20.8) ; v4(9.4,57.1) 4.7,57.1 J14.1
  Bottom w0.245: v1(56,63.78) 55.8,63.59 55.8,45.58 55.6,45.38 55.6,20.9 v4(55.7,20.8) ; v4(9.6,62.6) 9.6,57.3 v4(9.4,57.1) ; J5.7 55.6,4.31 55.6,20.7
uio5: length 176.8
  Top w0.2: U6.38 31.34,21.5 31.64,21.8
  Top w0.245: v1(53.1,62.7) 79.7,62.7 81.41,64.41 J4.B8 ; v4(53.14,22.1) 52.86,21.82 31.66,21.82 31.64,21.8 ; v4(32.5,64.6) 32.36,64.46 25.05,64.46 24.68,64.83 4.59,64.83 J14.4 ; v4(32.89,50.72) 33.01,50.6 v4(53.1,50.6)
  Bottom w0.245: v4(32.5,64.6) 32.5,51.11 v4(32.89,50.72) ; v1(53.1,62.7) 53.16,62.64 53.16,4.21 J5.8
uio6: length 159.2
  Top w0.2: 31.54,22.3 31.14,21.9 U6.39
  Top w0.245: J4.B5 77.08,66.63 59.53,66.63 58.78,65.88 v1(51.87,65.88) ; J14.2 5.44,58.9 27.5,58.9 28.39,58.01 50.81,58.01 v4(51.04,58.24) ; 31.54,22.3 50.84,22.3 v4(51.04,22.5)
  Bottom w0.245: v1(51.87,65.88) 51.04,65.05 v4(51.04,22.5) 51.04,7.29 50.55,6.8 50.55,4.28 J5.9
uio7: length 139.6
  Top w0.2: U6.40 30.95,22.3 31.4,22.75
  Top w0.245: v1(60.9,65.8) 61.23,66.13 80.62,66.13 81.45,66.95 J4.B6 ; v3(60.9,1.3) 60.7,1.5 50.79,1.5 J5.10 ; 31.4,22.75 48.15,22.75 v4(48.6,23.2)
  Bottom w0.245: J5.10 48.05,4.24 48.05,22.65 v4(48.6,23.2) ; v3(60.9,1.3) 60.75,1.45 60.75,15.49 60.95,15.68 60.95,58.78 60.83,58.9 ; 60.83,58.9 60.9,58.97 v1(60.9,65.8) ; 60.83,58.9 60.83,58.97
usb_d+: length 56.7
  Top w0.23: 27.5,73.65 27.5,72.6 v5(27.4,72.5) 27.2,72.3 D6.2 26.12,70.83 C45.1 ; 27.29,25.71 27.21,25.62 v5(26.92,25.62) 27,25.54 U6.47 ; v5(28.7,72.17) 28.5,72.36 28.5,73.65
  In2.Cu w0.23: v5(28.7,72.17) 27.73,72.17 v5(27.4,72.5)
  Bottom w0.23: v5(26.92,25.62) 27.79,26.48 27.79,72.11 v5(27.4,72.5)
usb_d-: length 55.8
  Top w0.23: v5(28.67,71.37) 28.77,71.37 29.36,71.96 29.36,72.37 29,72.73 29,73.65 ; v5(28.67,71.37) 28,72.03 28,73.65 ; v5(28.67,71.37) 29.21,70.83 D5.2 29.62,70.6 C44.1 ; 27.57,25.13 v5(27.61,25.13) 27.4,24.92 U6.46
  Bottom w0.23: v5(28.67,71.37) 28.18,70.88 28.18,25.7 v5(27.61,25.13)
usrclk2: length 84.1
  Top w0.2: v4(66.7,38.7) 66.22,38.22 48.32,38.22 48.32,38.21 44.57,38.21 44.57,38.22 43.28,38.22 42.49,39.01 J4.A27 ; v4(67.55,74.2) 84.6,74.2 v4(84.8,74)
  Bottom w0.2: v4(67.55,74.2) 66.87,73.52 66.87,38.87 v4(66.7,38.7) ; v4(84.8,74) 84.8,78.96 J9.5
xclk: length 53.5
  Top w0.245: J4.A11 42.47,59.33 43.31,58.5 48.55,58.5 v4(48.74,58.69) ; v4(50.44,66.3) 50.67,66.53 58.43,66.53 58.98,67.08 74.48,67.08 75.17,67.77 85.62,67.77 X1.3
  Bottom w0.245: v4(50.44,66.3) 48.6,64.46 48.6,58.83 v4(48.74,58.69)
~{crst}/out2: length 11.2
  Top w0.18: U6.9 20.75,19.9 20.09,20.56 20,20.56
  Top w0.245: U4.4 13.67,19.88 13.75,19.95 16.02,19.95 16.02,19.95 16.95,19.95 17.56,20.56 20,20.56
~{ctrl_sel_rst}: length 116.3
  Top w0.2: U4.2 12.38,19.22 v1(12.2,19.4) ; v4(66.22,64.9) 65.73,64.41 45.41,64.41 44.3,63.3 R32.2 36.86,63.95 12.14,63.95 v1(11.9,64.18)
  Bottom w0.2: v4(66.22,64.9) 66.22,78.16 J9.12 ; v1(12.2,19.4) 11.53,20.08 11.53,51.86 11.9,52.24 v1(11.9,64.18)
~{project_rst}: length 119.1
  Top w0.16: 20.5,21.3 21.1,20.7 U6.7
  Top w0.18: 20.5,21.3 20.33,21.47 16.27,21.47 16.15,21.35
  Top w0.2: 16.15,21.35 15.18,20.38 10.22,20.38 v1(9.1,21.5) ; v1(37.9,8.1) 54.7,8.1 54.9,8.3 61.61,8.3 R13.2 62.52,9.21 C2.1 ; v4(8.67,34.7) 34.04,34.7 34.85,33.89 37.89,33.89 v4(37.9,33.9) 41.36,33.9 J4.A31
  Bottom w0.2: v4(8.67,34.7) 8.67,30 8.08,29.4 8.08,22.82 9.1,21.8 v1(9.1,21.5) ; J17.2 37.9,4.26 v4(37.9,33.9)
Net-(C1-Pad2): length 11.4
  Top w0.2: C1.2 42.92,11.31 40.98,11.31 R7.1 40.17,10.51 R12.2 v1(38.7,11.1) ; v1(38.7,15) 38.7,14.25 SW1.1
  Bottom w0.2: v1(38.7,11.1) v1(38.7,15)
Net-(C3-Pad1): length 12.3
  Top w0.3: R16.1 37.15,74.92 35.7,74.92 35.62,75 J15.S3 J15.S1 ; 34.2,74.47 34.2,75.4 ; J15.S4 J15.S2
Net-(C30-Pad1): length 3.1
  Top w0.2: R37.1 25.95,13.94 25.95,12.75 Y1.3 27.67,12.6 C30.1
Net-(D1-A): length 1.3
  Top w0.2: R15.2 100.78,71.81 D1.2
Net-(D2-A): length 1.3
  Top w0.2: D2.2 95.78,71.81 R17.2
Net-(D3-A): length 1.3
  Top w0.2: 90.31,71.81 91.59,71.81
Net-(D4-A): length 2.2
  Top w0.2: R19.2 95.04,63.2 93.59,63.2 D4.2
Net-(JP1-B): length 1.2
  Top w0.2: JP1.2 96.86,31.82 R22.1
Net-(JP2-B): length 1.1
  Top w0.2: JP2.2 96.87,29.31 R23.1
Net-(JP3-B): length 1.1
  Top w0.2: JP3.2 96.87,26.81 R24.1
Net-(JP4-B): length 1.1
  Top w0.2: R25.1 96.88,24.3 JP4.2
Net-(JP5-B): length 1.1
  Top w0.2: R26.1 96.88,21.8 JP5.2
Net-(JP6-B): length 1.1
  Top w0.2: JP6.2 96.89,19.29 R27.1
Net-(JP7-B): length 1.1
  Top w0.2: JP7.2 96.89,16.79 R28.1
Net-(JP8-B): length 1.1
  Top w0.2: R29.1 JP8.2
Net-(R1-Pad2): length 2.2
  Top w0.2: R1.2 17.59,42.1
Net-(R2-Pad2): length 2.2
  Top w0.2: R2.2 17.59,44.64
Net-(R3-Pad2): length 2.2
  Top w0.2: R3.2 17.6,47.19 SW4.6
Net-(R4-Pad2): length 2.2
  Top w0.2: R4.2 17.6,49.73 SW4.5
Net-(R5-Pad2): length 2.2
  Top w0.2: SW4.4 17.6,52.27 R5.2
Net-(R6-Pad2): length 2.2
  Top w0.2: SW4.3 17.6,54.81 R6.2
Net-(R10-Pad2): length 2.2
  Top w0.2: SW4.2 17.59,57.36 R10.2
Net-(R11-Pad2): length 2.2
  Top w0.2: SW4.1 17.59,59.9 R11.2
Net-(R13-Pad1): length 6.2
  Top w0.2: v1(62.28,11.03) 62.28,10.97 R8.2 61.39,10.08 R13.1 ; v1(62.1,13.2) 61.4,13.9 SW2.2
  Bottom w0.2: v1(62.1,13.2) 62.28,13.03 v1(62.28,11.03)
Net-(R14-Pad1): length 3.6
  Top w0.2: SW3.1 1.09,52.34 R14.1
Net-(U1-A): length 5.4
  Top w0.2: 91.49,28 91.49,29.01 94.3,31.82 R22.2
Net-(U1-B): length 2.8
  Top w0.2: R23.2 93.46,29.31 92.93,28.78 92.93,28
Net-(U1-C): length 11.6
  Top w0.2: v1(91.45,26) 93.94,26 R24.2 ; 91.49,18 91.45,18.04 v1(91.45,19.9)
  Bottom w0.2: v1(91.45,26) v1(91.45,19.9)
Net-(U1-D): length 12.3
  Top w0.2: 88.61,18 88.65,18.04 v1(88.65,19.8) ; R25.2 88.78,24.3 v1(88.78,24.3)
  Bottom w0.2: v1(88.78,24.3) 88.78,19.92 v1(88.65,19.8)
Net-(U1-DP): length 4.5
  Top w0.2: R29.2 94.75,15.2 92.93,17.02 92.93,18
Net-(U1-E): length 15.1
  Top w0.2: R26.2 87.15,21.8 v2(87.15,21.8) ; v1(87.15,16.2) 87.15,17.98 87.17,18
  Bottom w0.2: 87.15,21.9 v2(87.15,21.8) v1(87.15,16.2)
Net-(U1-F): length 15.9
  Top w0.2: v1(88.05,20.6) 93.44,20.6 R27.2 ; 88.15,27.54 88.61,28 ; v1(88.15,26.2) 88.55,26.6 U1.9
  Bottom w0.2: v1(88.15,26.2) 88.15,20.7 v1(88.05,20.6)
Net-(U1-G): length 22.1
  Top w0.2: v4(87.2,25.2) v1(94.35,25.2) ; v1(94.35,17.7) 94.75,17.31 R28.2 ; U1.10 87.1,28.5 v4(87.1,30)
  Bottom w0.2: v4(87.1,30) 87.2,29.9 v4(87.2,25.2) ; v1(94.35,17.7) v1(94.35,25.2)
Net-(U6-XIN): length 8.4
  Top w0.18: 25.4,15.45 U6.20
  Top w0.2: 25.4,15.45 25.1,15.15 25.1,11.84 24.16,10.9 Y1.1 23.87,10.87 C29.1
Net-(U6-XOUT): length 2.1
  Top w0.16: 25.78,17.06 25.78,15.13 R37.2
Net-(U7-IO2): length 3.6
  Top w0.2: R44.2 91.37,59.17 U7.3
Net-(U7-IO3): length 2.9
  Top w0.2: R45.2 92.79,50.25 U7.7

## Copper pours and planes (outline as drawn; the poured copper is in the pictures)
GND on Top, Bottom: -4,84 108,84 108,-2 -4.5,-2 -4.5,83.5
GND on In1.Cu, In2.Cu: -3.75,84.25 108.25,84.25 108.25,-1.75 -4.25,-1.75 -4.25,83.75

## Text on the board
B.Silkscreen: GND | +5V | 3v3 | P29 | m33 | cEN | m35 | cINC | m37 | cRST | m00 | SDO | SDI | CSB | SCK | UCK | 1v8 | CLK | ~{RST} | IN PWR | ot6 | in3 | ot4 | in5 | ot7 | in6 | in4 | bi1 | bi2 | A | 7 | B | C | D | E | F | G | 7-seg / remap | 0 | 1 | 2 | 3 | 4 | 5 | 6 | (C) 2024 Pat Deegan / https://psychogenic.com | in7 | in0 | bi7 | bi6 | bi5 | bi4 | ot5 | ot2 | v1.0 | bi3 | zerotoasic / course.com | tinytapeout.com | HK SPI | in2 | in1 | bi0 | ot3 | ot1 | ot0 | SPI SLAVE | SPI MASTER | SPI BI/UART | INPUT | BIDIR | OUTPUT | CTRL | PWR | 5V | SD0 | CS | SD1 | RP2040 FLASH | TinyTapeout 4+ / Demo Board | Project I/O PMODs | Standard PMODs
F.Silkscreen: WayWayWay | 3v3 | 1v8 | +5V | GND | P29 | m33 | cEN | m35 | cINC | m37 | cRST | m00 | SDO | SDI | CSB | SCK | UCK | 0 | 1 | 2 | 3 | 4 | 5 | 6 | 7 | CLK | RST | in7 | in6 | in5 | in4 | bi7 | bi6 | bi5 | bi4 | ot7 | ot6 | ot5 | ot4 | ot2 | (C) 2024 Pat Deegan | TT4+ BKOUT | v1.0.0 | POWER GOOD | bi3 | zerotoasic / course.com | tinytapeout.com | OFF | ON | in3 | in2 | in1 | in0 | bi2 | bi1 | bi0 | ot3 | ot1 | ot0 | CLOCK | RESET | BOOT | 5V | SPI MSTR | SPI BI/UART | SPI SLV | INPUT | BIDIR | OUTPUT | 1V8 | 3V3 | TinyTapeout 4+ / Demoboard | Input | cEN  GND / c++  m33 / m37  m35 / 1v8  cRS / GND  GND / xCK  xRS / cCK  cCS / GND  cD0 / cD1  GPIO / 3v3  GND / hSO  m00 / hCS  hSI / GND  hCK / uCK  pCK / GND  GND / pRS  in0 / in1  in2 / in3  in4 / in5  in6 / in7  GND | 3v3  GND / 3v3  GND / bi6  bi7 / bi4  bi5 / bi2  bi3 / bi1  GND / GND  1v8 / 3v3  1v8 / 3v3  GND / GND  GND / ot7  bi0 / ot5  GND / GND  ot6 / ot3  ot4 / ot1  ot2 / GND  ot0 / 1v8  GND / 1v8  GND / 3v3  GND / 3v3  GND
User.1: 4-layer, Aisler stackup / 0.3mm drill min / >6mil traces / basic controlled Z
